# Altium PCB spin5v1_simple.PcbDoc (part 5 of 25) (continued)
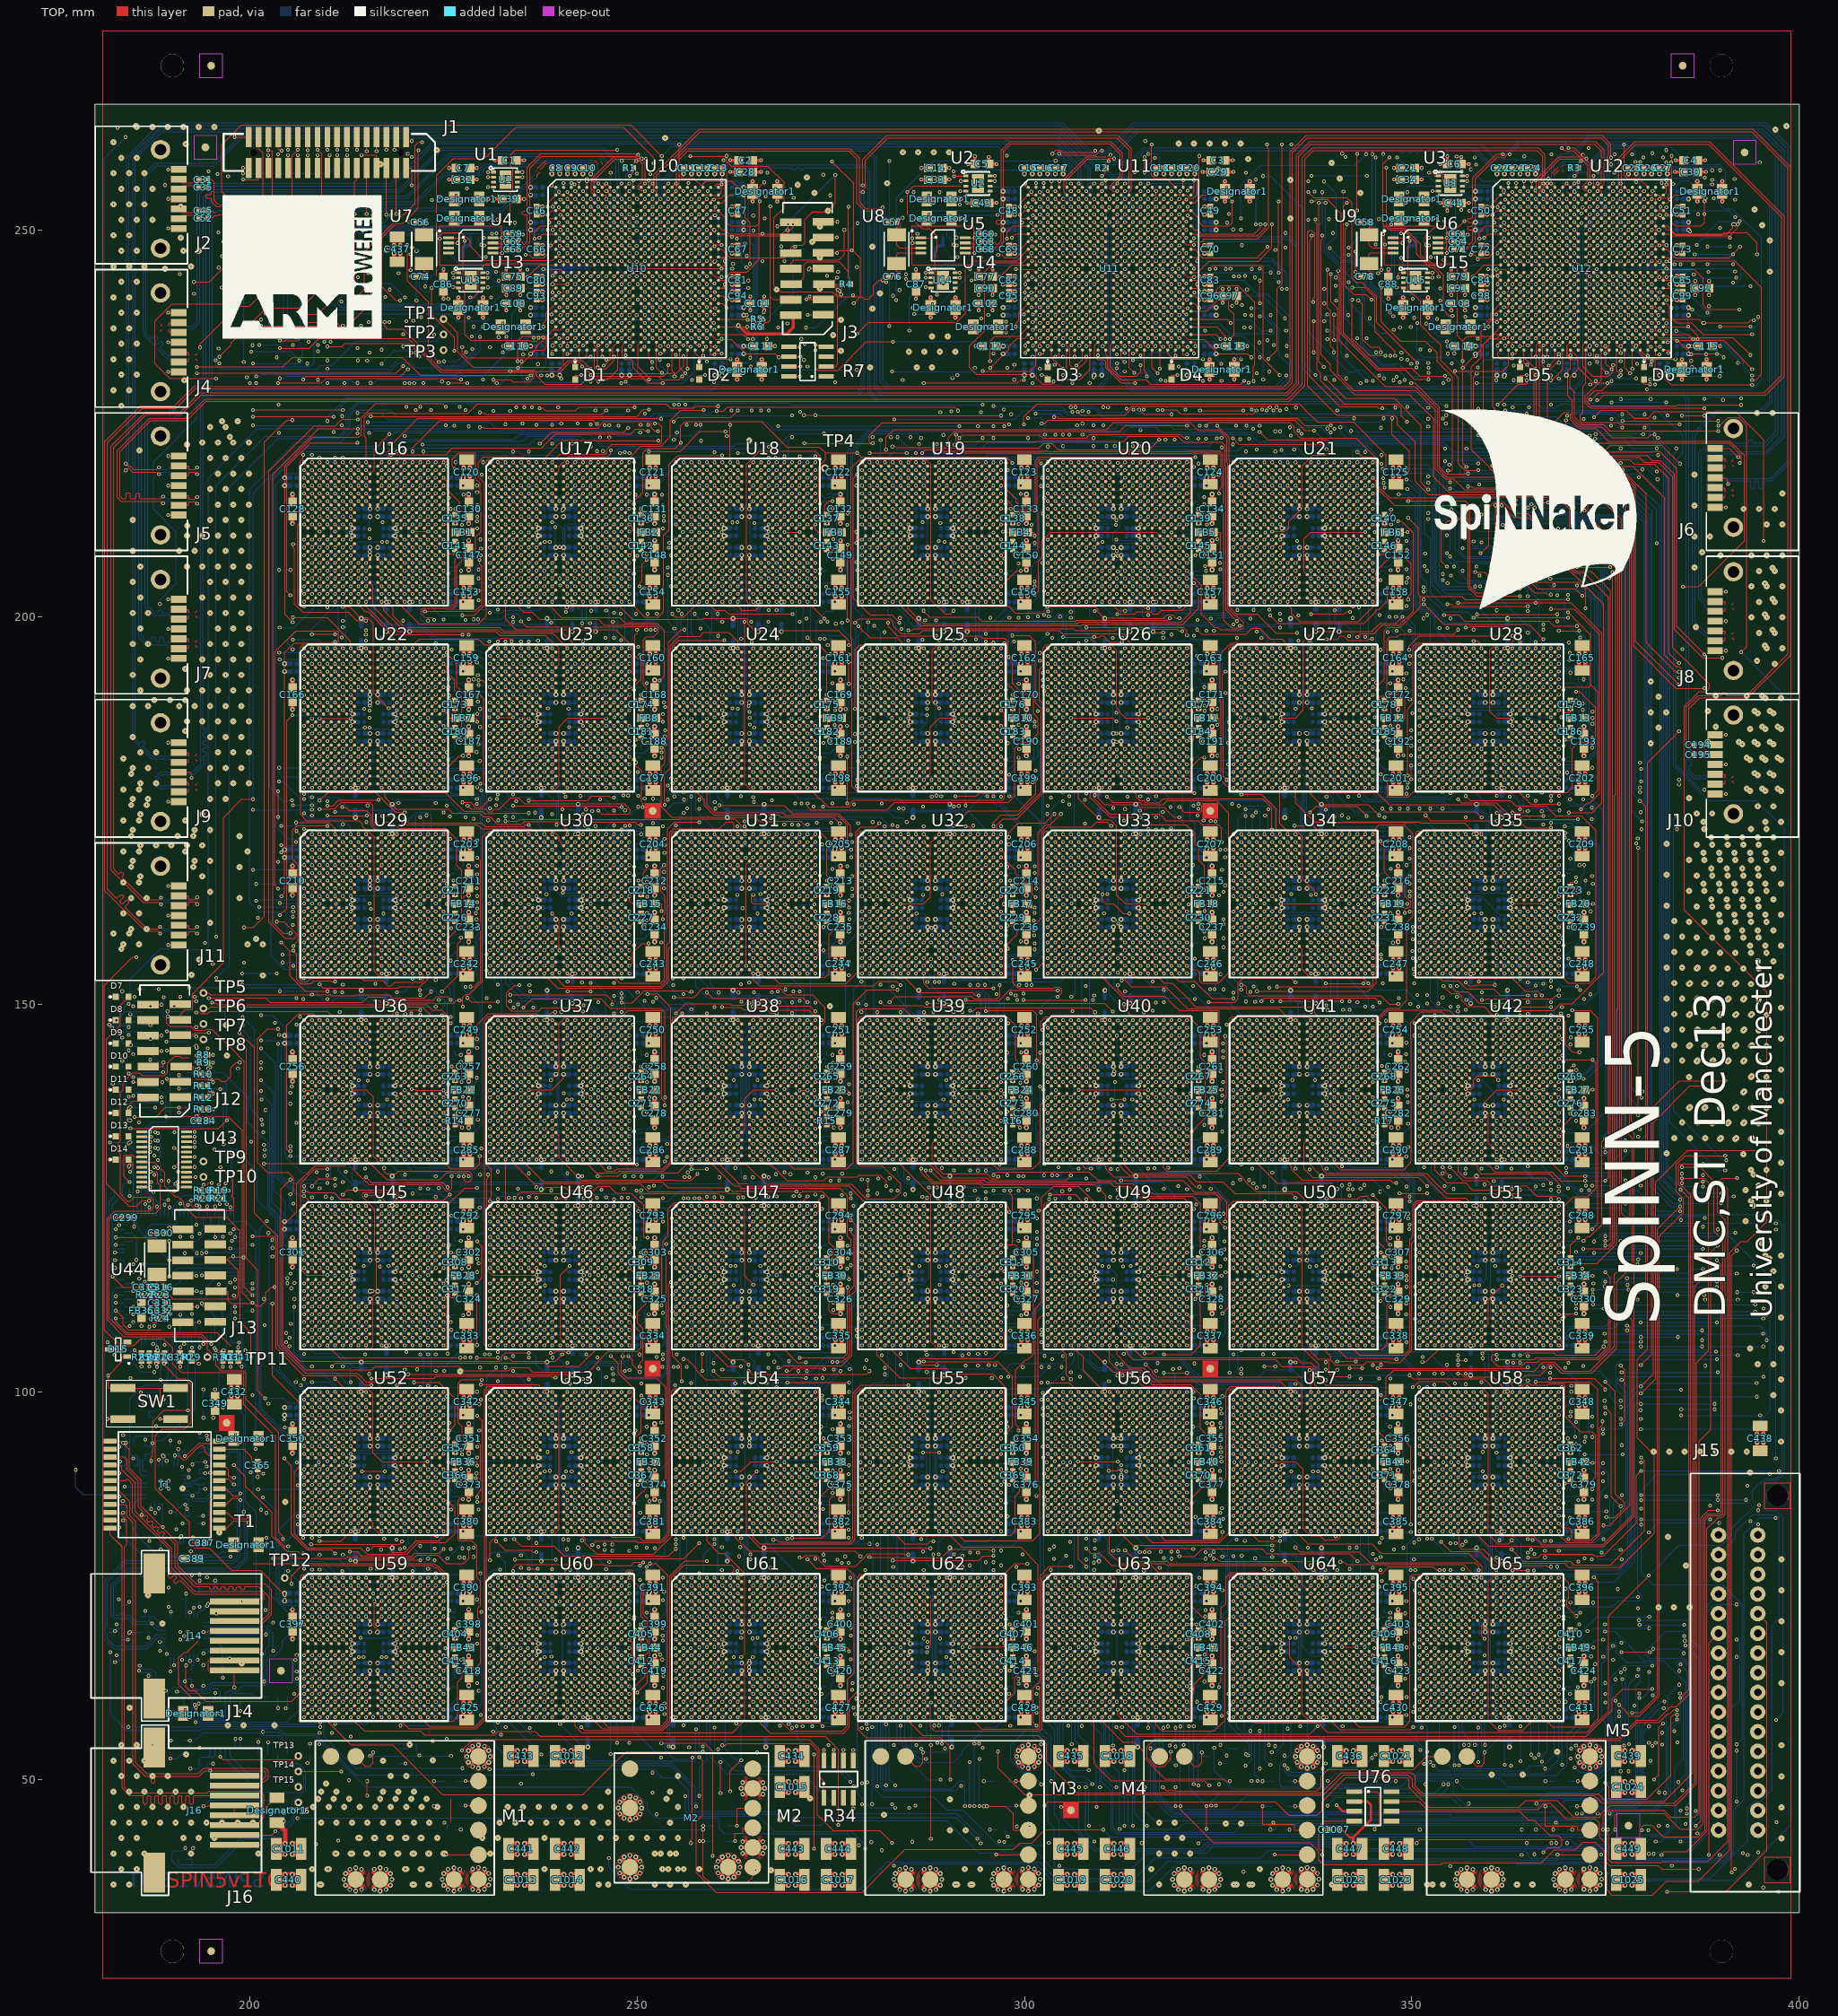
[diagram p0: TOP view]
## Nets (pads, with @x,y where several pads share a name; then routed paths per layer and width w, separated by ;. In a path a pad name is that pad's centre, name@x,y a point inside that pad or via, vN(x,y) a via of type N, cw(c..) or ccw(c..) an arc to the next point about the centre after c; other vN are vias at no path point) (continued)
  other v1: 258.511,42 252,48.258 297,59 211,62 212,62 213,62 214,62 217,62 235,62 236,62 237,62 238,62 241,62 259,62 260,62 261,62 262,62 265,62 283,62 284,62 285,62 286,62 289,62 307,62 308,62 309,62 310,62 313,62 331,62 332,62 333,62 334,62 337,62 355,62 356,62 357,62 358,62 361,62 211,63 212,63 213,63 214,63 217,63 235,63 236,63 237,63 238,63 259,63 260,63 261,63 262,63 265,63 283,63 284,63 285,63 286,63 289,63 307,63 308,63 309,63 310,63 313,63 331,63 332,63 333,63 334,63 355,63 356,63 357,63 358,63 211,64 212,64 213,64 235,64 236,64 237,64 259,64 260,64 261,64 283,64 284,64 285,64 307,64 308,64 309,64 331,64 332,64 333,64 355,64 356,64 357,64 219,65 220,65 221,65 224,65 225,65 243,65 244,65 245,65 248,65 249,65 267,65 268,65 269,65 272,65 273,65 291,65 292,65 293,65 296,65 297,65 315,65 316,65 317,65 320,65 321,65 339,65 340,65 341,65 344,65 345,65 363,65 364,65 365,65 368,65 369,65 211,66 212,66 213,66 235,66 236,66 237,66 259,66 260,66 261,66 283,66 284,66 285,66 291,66 307,66 308,66 309,66 331,66 332,66 355,66 356,66 357,66 191,68 192,68 219,68 220,68 221,68 243,68 244,68 245,68 267,68 268,68 269,68 285,68 291,68 292,68 293,68 309,68 316,68 317,68 339,68 340,68 341,68 363,68 364,68 365,68 191.5,68.5 191,69 192,69 211,69 212,69 213,69 224,69 225,69 235,69 236,69 237,69 248,69 249,69 259,69 260,69 261,69 272,69 273,69 283,69 284,69 285,69 296,69 297,69 307,69 308,69 309,69 320,69 321,69 331,69 332,69 333,69 344,69 345,69 355,69 356,69 357,69 368,69 369,69 219,70 220,70 221,70 243,70 244,70 245,70 267,70 268,70 269,70 291,70 292,70 293,70 315,70 316,70 317,70 339,70 340,70 341,70 363,70 364,70 365,70 215,71 218,71 219,71 220,71 221,71 239,71 242,71 243,71 244,71 245,71 263,71 266,71 267,71 268,71 269,71 287,71 289,71 290,71 291,71 292,71 293,71 311,71 314,71 315,71 316,71 317,71 338,71 339,71 340,71 341,71 362,71 363,71 364,71 365,71 215,72 218,72 219,72 220,72 221,72 239,72 242,72 243,72 244,72 245,72 263,72 266,72 267,72 268,72 269,72 287,72 290,72 291,72 292,72 293,72 311,72 314,72 315,72 316,72 317,72 335,72 338,72 339,72 340,72 341,72 359,72 362,72 363,72 364,72 365,72 285,73 310,74 289,75 285,76 290,76 292,84 296,85 211,86 212,86 213,86 214,86 217,86 235,86 236,86 237,86 238,86 241,86 259,86 260,86 261,86 262,86 265,86 273,86 283,86 284,86 285,86 286,86 289,86 307,86 308,86 309,86 310,86 313,86 331,86 332,86 333,86 334,86 337,86 355,86 356,86 357,86 358,86 361,86 367,86 211,87 212,87 213,87 214,87 217,87 235,87 236,87 237,87 238,87 259,87 260,87 261,87 262,87 265,87 283,87 284,87 285,87 286,87 287,87 289,87 307,87 308,87 309,87 310,87 313,87 331,87 332,87 333,87 334,87 337,87 355,87 356,87 357,87 358,87 361,87 188.5,87.5 189.5,87.5 189,88 211,88 212,88 213,88 235,88 236,88 237,88 259,88 260,88 261,88 283,88 284,88 285,88 307,88 308,88 309,88 331,88 332,88 333,88 355,88 356,88 357,88 188.5,88.5 189.5,88.5 219,89 220,89 221,89 224,89 225,89 243,89 244,89 245,89 248,89 249,89 267,89 268,89 269,89 272,89 273,89 291,89 292,89 293,89 296,89 297,89 315,89 316,89 317,89 320,89 321,89 339,89 340,89 341,89 344,89 345,89 363,89 364,89 365,89 368,89 369,89 211,90 212,90 235,90 236,90 237,90 259,90 260,90 261,90 283,90 284,90 285,90 291,90 307,90 308,90 309,90 331,90 332,90 333,90 355,90 356,90 357,90 363,90 220,92 221,92 244,92 245,92 267,92 268,92 269,92 291,92 292,92 293,92 316,92 317,92 339,92 340,92 341,92 363,92 364,92 365,92 211,93 212,93 213,93 224,93 225,93 235,93 236,93 237,93 248,93 249,93 259,93 260,93 261,93 272,93 273,93 283,93 284,93 285,93 296,93 297,93 307,93 308,93 309,93 320,93 321,93 331,93 332,93 333,93 344,93 345,93 355,93 356,93 357,93 368,93 369,93 219,94 220,94 221,94 243,94 244,94 245,94 267,94 268,94 269,94 291,94 292,94 293,94 295,94 315,94 316,94 317,94 339,94 340,94 341,94 363,94 364,94 365,94 215,95 218,95 219,95 220,95 221,95 242,95 243,95 244,95 245,95 263,95 266,95 267,95 268,95 269,95 287,95 289,95 290,95 291,95 292,95 293,95 314,95 315,95 316,95 317,95 335,95 338,95 339,95 340,95 341,95 359,95 362,95 363,95 364,95 365,95 215,96 218,96 219,96 220,96 221,96 239,96 242,96 243,96 244,96 245,96 263,96 266,96 267,96 268,96 269,96 287,96 290,96 291,96 292,96 293,96 311,96 314,96 315,96 316,96 317,96 335,96 338,96 339,96 340,96 341,96 359,96 362,96 363,96 364,96 365,96 285,100 187.908,103.629 188.908,103.629 273,107 260,108 367,108 211,110 212,110 213,110 214,110 217,110 235,110 236,110 237,110 238,110 241,110 259,110 260,110 261,110 262,110 265,110 283,110 284,110 285,110 286,110 289,110 307,110 308,110 309,110 310,110 313,110 331,110 332,110 333,110 334,110 337,110 355,110 356,110 357,110 358,110 361,110 211,111 212,111 213,111 214,111 217,111 235,111 236,111 237,111 238,111 241,111 259,111 260,111 261,111 262,111 263,111 283,111 284,111 285,111 286,111 289,111 307,111 308,111 309,111 310,111 313,111 331,111 332,111 333,111 334,111 337,111 343,111 355,111 356,111 357,111 358,111 187.629,111.592 211,112 212,112 213,112 235,112 236,112 237,112 259,112 260,112 261,112 283,112 284,112 285,112 307,112 308,112 309,112 331,112 332,112 333,112 355,112 356,112 357,112 219,113 220,113 221,113 224,113 225,113 243,113 244,113 245,113 248,113 249,113 267,113 268,113 269,113 272,113 273,113 291,113 292,113 293,113 296,113 297,113 315,113 316,113 317,113 320,113 321,113 339,113 340,113 341,113 344,113 345,113 363,113 364,113 365,113 368,113 369,113 211,114 212,114 235,114 236,114 237,114 259,114 260,114 261,114 283,114 284,114 285,114 307,114 308,114 309,114 331,114 332,114 333,114 339,114 355,114 356,114 357,114 220,116 221,116 243,116 244,116 245,116 261,116 267,116 268,116 269,116 292,116 293,116 309,116 315,116 316,116 317,116 333,116 339,116 340,116 341,116 357,116 363,116 364,116 365,116 211,117 212,117 213,117 224,117 225,117 235,117 236,117 237,117 248,117 249,117 259,117 260,117 261,117 272,117 273,117 283,117 284,117 285,117 296,117 297,117 307,117 308,117 309,117 320,117 321,117 331,117 332,117 333,117 344,117 345,117 355,117 356,117 357,117 368,117 369,117 219,118 220,118 221,118 243,118 244,118 245,118 267,118 268,118 269,118 291,118 292,118 293,118 315,118 316,118 317,118 339,118 340,118 341,118 363,118 364,118 365,118 215,119 218,119 219,119 220,119 221,119 239,119 242,119 243,119 244,119 245,119 263,119 266,119 267,119 268,119 269,119 290,119 291,119 292,119 293,119 311,119 314,119 315,119 316,119 317,119 335,119 338,119 339,119 340,119 341,119 359,119 362,119 363,119 364,119 365,119 215,120 218,120 219,120 220,120 221,120 239,120 242,120 243,120 244,120 245,120 263,120 266,120 267,120 268,120 269,120 287,120 290,120 291,120 292,120 293,120 311,120 314,120 315,120 316,120 317,120 335,120 338,120 339,120 340,120 341,120 359,120 362,120 363,120 364,120 365,120 314,122 338,124 184.371,129.092 361,131 184.371,132.092 211,134 212,134 213,134 214,134 217,134 235,134 236,134 237,134 238,134 241,134 259,134 260,134 261,134 262,134 265,134 283,134 284,134 285,134 286,134 289,134 307,134 308,134 309,134 310,134 313,134 331,134 332,134 333,134 334,134 337,134 355,134 356,134 357,134 358,134 361,134 211,135 212,135 213,135 214,135 217,135 235,135 236,135 237,135 238,135 241,135 259,135 260,135 261,135 262,135 283,135 284,135 285,135 286,135 289,135 307,135 308,135 309,135 310,135 331,135 332,135 333,135 334,135 337,135 355,135 356,135 357,135 358,135 359,135 361,135 369,135 184.371,135.092 211,136 212,136 213,136 235,136 236,136 237,136 259,136 260,136 261,136 283,136 284,136 285,136 307,136 308,136 309,136 331,136 332,136 333,136 355,136 356,136 357,136 219,137 220,137 221,137 224,137 225,137 243,137 244,137 245,137 248,137 249,137 267,137 268,137 269,137 272,137 273,137 291,137 292,137 293,137 296,137 297,137 315,137 316,137 317,137 320,137 321,137 339,137 340,137 341,137 344,137 345,137 363,137 364,137 365,137 368,137 369,137 211,138 212,138 235,138 236,138 259,138 260,138 261,138 283,138 284,138 285,138 307,138 308,138 309,138 331,138 332,138 333,138 355,138 356,138 357,138 184.371,138.092 219,140 220,140 221,140 243,140 244,140 245,140 267,140 268,140 269,140 292,140 293,140 315,140 316,140 317,140 339,140 340,140 341,140 363,140 364,140 365,140 211,141 212,141 213,141 224,141 225,141 235,141 236,141 237,141 248,141 249,141 259,141 260,141 261,141 272,141 273,141 283,141 284,141 285,141 296,141 297,141 307,141 308,141 309,141 320,141 321,141 331,141 332,141 333,141 344,141 345,141 355,141 356,141 357,141 368,141 369,141 184.371,141.092 219,142 220,142 221,142 243,142 244,142 245,142 267,142 268,142 269,142 291,142 292,142 293,142 315,142 316,142 317,142 339,142 340,142 341,142 363,142 364,142 365,142 215,143 218,143 219,143 220,143 221,143 242,143 243,143 244,143 245,143 266,143 267,143 268,143 269,143 287,143 290,143 291,143 292,143 293,143 311,143 314,143 315,143 316,143 317,143 335,143 338,143 339,143 340,143 341,143 359,143 362,143 363,143 364,143 365,143 215,144 218,144 219,144 220,144 221,144 239,144 242,144 243,144 244,144 245,144 263,144 266,144 267,144 268,144 269,144 287,144 290,144 291,144 292,144 293,144 311,144 314,144 315,144 316,144 317,144 335,144 338,144 339,144 340,144 341,144 359,144 362,144 363,144 364,144 365,144 184.371,144.092 193.067,145.88 184.371,147.092 187.167,149.78 184.371,150.092 188.856,150.939 222,156 211,158 212,158 213,158 214,158 217,158 235,158 236,158 237,158 238,158 241,158 259,158 260,158 261,158 262,158 265,158 283,158 284,158 285,158 286,158 289,158 307,158 308,158 309,158 310,158 313,158 321,158 331,158 332,158 333,158 334,158 337,158 355,158 356,158 357,158 358,158 361,158 211,159 212,159 213,159 214,159 217,159 235,159 236,159 237,159 238,159 241,159 259,159 260,159 261,159 262,159 265,159 283,159 284,159 285,159 286,159 307,159 308,159 309,159 310,159 313,159 319,159 331,159 332,159 333,159 334,159 337,159 355,159 356,159 357,159 358,159 361,159 211,160 212,160 213,160 235,160 236,160 237,160 259,160 260,160 261,160 283,160 284,160 285,160 307,160 308,160 309,160 331,160 332,160 333,160 355,160 356,160 357,160 219,161 220,161 221,161 224,161 243,161 244,161 245,161 248,161 249,161 267,161 268,161 269,161 272,161 273,161 291,161 292,161 293,161 296,161 297,161 315,161 316,161 317,161 320,161 321,161 339,161 340,161 341,161 344,161 345,161 363,161 364,161 365,161 368,161 369,161 211,162 212,162 235,162 236,162 237,162 259,162 260,162 261,162 283,162 284,162 307,162 308,162 309,162 315,162 331,162 332,162 333,162 339,162 355,162 356,162 219,164 220,164 221,164 244,164 245,164 268,164 269,164 291,164 292,164 293,164 309,164 315,164 316,164 317,164 333,164 339,164 340,164 341,164 364,164 365,164 211,165 212,165 213,165 224,165 235,165 236,165 237,165 248,165 249,165 259,165 260,165 261,165 272,165 273,165 283,165 284,165 285,165 296,165 297,165 307,165 308,165 309,165 320,165 321,165 331,165 332,165 333,165 344,165 345,165 355,165 356,165 357,165 368,165 369,165 219,166 220,166 221,166 243,166 244,166 245,166 267,166 268,166 269,166 291,166 292,166 293,166 315,166 316,166 317,166 339,166 340,166 341,166 363,166 364,166 365,166 215,167 218,167 219,167 220,167 221,167 242,167 243,167 244,167 245,167 263,167 266,167 267,167 268,167 269,167 287,167 290,167 291,167 292,167 293,167 311,167 314,167 315,167 316,167 317,167 335,167 338,167 339,167 340,167 341,167 359,167 362,167 363,167 364,167 365,167 215,168 218,168 219,168 220,168 221,168 239,168 242,168 243,168 244,168 245,168 263,168 266,168 267,168 268,168 269,168 287,168 290,168 291,168 292,168 293,168 311,168 314,168 315,168 316,168 317,168 335,168 338,168 339,168 340,168 341,168 359,168 362,168 363,168 364,168 365,168 321,181 211,182 212,182 213,182 214,182 217,182 235,182 236,182 237,182 238,182 241,182 259,182 260,182 261,182 262,182 265,182 283,182 284,182 285,182 286,182 289,182 307,182 308,182 309,182 310,182 313,182 331,182 332,182 333,182 334,182 337,182 355,182 356,182 357,182 358,182 361,182 211,183 212,183 213,183 214,183 217,183 235,183 236,183 237,183 238,183 241,183 259,183 260,183 261,183 262,183 265,183 283,183 284,183 285,183 286,183 289,183 307,183 308,183 309,183 310,183 311,183 313,183 331,183 332,183 333,183 334,183 337,183 355,183 356,183 357,183 358,183 361,183 211,184 212,184 213,184 235,184 236,184 237,184 259,184 260,184 261,184 283,184 284,184 285,184 307,184 308,184 309,184 331,184 332,184 333,184 355,184 356,184 357,184 219,185 220,185 221,185 224,185 225,185 243,185 244,185 245,185 248,185 249,185 267,185 268,185 269,185 272,185 273,185 291,185 292,185 293,185 296,185 297,185 315,185 316,185 317,185 320,185 321,185 339,185 340,185 341,185 344,185 345,185 363,185 364,185 365,185 368,185 369,185 211,186 212,186 235,186 236,186 237,186 259,186 260,186 261,186 283,186 284,186 285,186 307,186 308,186 309,186 331,186 332,186 355,186 356,186 357,186 220,188 221,188 243,188 244,188 245,188 267,188 268,188 269,188 292,188 293,188 309,188 315,188 316,188 317,188 339,188 340,188 341,188 364,188 365,188 211,189 212,189 213,189 224,189 225,189 235,189 236,189 237,189 248,189 249,189 259,189 260,189 261,189 272,189 273,189 283,189 284,189 285,189 296,189 297,189 307,189 308,189 309,189 320,189 321,189 331,189 332,189 333,189 344,189 345,189 355,189 356,189 357,189 368,189 369,189 219,190 220,190 221,190 243,190 244,190 245,190 267,190 268,190 269,190 291,190 292,190 293,190 315,190 316,190 317,190 339,190 340,190 341,190 363,190 364,190 365,190 215,191 218,191 219,191 220,191 221,191 239,191 242,191 243,191 244,191 245,191 266,191 267,191 268,191 269,191 287,191 289,191 290,191 291,191 292,191 293,191 311,191 313,191 314,191 315,191 316,191 317,191 335,191 338,191 339,191 340,191 341,191 359,191 362,191 363,191 364,191 365,191 215,192 218,192 219,192 220,192 221,192 239,192 242,192 243,192 244,192 245,192 263,192 266,192 267,192 268,192 269,192 287,192 290,192 291,192 292,192 293,192 311,192 314,192 315,192 316,192 317,192 335,192 338,192 339,192 340,192 341,192 359,192 362,192 363,192 364,192 365,192 314,193 311,194 310,196 343,202 339,203 211,206 212,206 213,206 214,206 217,206 235,206 236,206 237,206 238,206 241,206 259,206 260,206 261,206 262,206 265,206 283,206 284,206 285,206 286,206 289,206 307,206 308,206 309,206 310,206 313,206 331,206 332,206 333,206 334,206 337,206 211,207 212,207 213,207 214,207 235,207 236,207 237,207 238,207 259,207 260,207 261,207 262,207 283,207 284,207 285,207 286,207 307,207 308,207 309,207 310,207 331,207 332,207 333,207 334,207 337,207 211,208 212,208 213,208 235,208 236,208 237,208 259,208 260,208 261,208 283,208 284,208 285,208 307,208 308,208 309,208 331,208 332,208 333,208 219,209 220,209 221,209 224,209 243,209 244,209 245,209 248,209 249,209 267,209 268,209 269,209 272,209 273,209 291,209 292,209 293,209 296,209 297,209 315,209 316,209 317,209 320,209 321,209 339,209 340,209 341,209 344,209 345,209 211,210 212,210 235,210 236,210 237,210 259,210 260,210 261,210 283,210 284,210 285,210 307,210 308,210 331,210 332,210 333,210 220,212 221,212 244,212 245,212 268,212 269,212 292,212 293,212 315,212 316,212 317,212 333,212 339,212 340,212 341,212 211,213 212,213 213,213 224,213 225,213 235,213 236,213 237,213 248,213 249,213 259,213 260,213 261,213 272,213 273,213 283,213 284,213 285,213 296,213 297,213 307,213 308,213 309,213 320,213 321,213 331,213 332,213 333,213 344,213 345,213 219,214 220,214 221,214 243,214 244,214 245,214 267,214 268,214 269,214 291,214 292,214 293,214 315,214 316,214 317,214 339,214 340,214 341,214 218,215 219,215 220,215 221,215 239,215 242,215 243,215 244,215 245,215 263,215 266,215 267,215 268,215 269,215 290,215 291,215 292,215 293,215 311,215 314,215 315,215 316,215 317,215 335,215 338,215 339,215 340,215 341,215 215,216 218,216 219,216 220,216 221,216 239,216 242,216 243,216 244,216 245,216 263,216 266,216 267,216 268,216 269,216 287,216 290,216 291,216 292,216 293,216 311,216 314,216 315,216 316,216 317,216 335,216 338,216 339,216 340,216 341,216 268.297,233.561 245,237 255,237 258,237 306,237 316,237 319,237 367,237 377,237 380,237 242,238 248,238 253,238 303,238 309,238 314,238 364,238 370,238 375,238 245,239 306,239 367,239 243,241 257,241 304,241 318,241 365,241 379,241 272.278,241.4 276.344,241.666 248,242 251,242 253,242 309,242 312,242 314,242 370,242 373,242 375,242 276.129,242.092 228.5,243 247,243 249,243 252,243 256,243 289.5,243 308,243 310,243 313,243 317,243 350.5,243 369,243 371,243 374,243 378,243 228.5,243.5 289.5,243.5 350.5,243.5 228.5,244 248,244 251,244 253,244 289.5,244 309,244 312,244 314,244 350.5,244 370,244 373,244 375,244 272.278,245.04 243,246 247,246 249,246 252,246 257,246 304,246 308,246 310,246 313,246 318,246 365,246 369,246 371,246 374,246 379,246 248,247 251,247 253,247 309,247 312,247 314,247 370,247 373,247 375,247 247,248 249,248 252,248 254,248 308,248 310,248 313,248 315,248 369,248 371,248 374,248 376,248 260.901,248.065 245,249 306,249 367,249 243,250 257,250 304,250 318,250 365,250 379,250 252,251 313,251 374,251 260.099,251.901 245,252 249,252 253,252 254,252 259,252 306,252 310,252 314,252 315,252 367,252 371,252 375,252 376,252 244,253 248,253 255,253 305,253 309,253 316,253 366,253 370,253 377,253 244,254 250,254 251,254 253,254 255,254 305,254 307,254 311,254 312,254 314,254 316,254 366,254 372,254 373,254 375,254 377,254 243,255 254,255 257,255 304,255 306,255 315,255 365,255 376,255 378,255 379,255 294,255.5 355,255.5 233,256 294,256 309,256 313,256 355,256 374,256 233,256.5 294,256.5 355,256.5 233,257
  other v2: 216.825,35.548 226.345,35.548 287.825,35.548 297.345,35.548 323.825,35.548 333.345,35.548 360.325,35.548 369.845,35.548 216.069,35.751 217.581,35.751 225.589,35.751 227.101,35.751 287.069,35.751 288.581,35.751 296.589,35.751 298.101,35.751 323.069,35.751 324.581,35.751 332.589,35.751 334.101,35.751 359.569,35.751 361.081,35.751 369.089,35.751 370.601,35.751 204.55,36.3 218.134,36.304 225.036,36.304 235.45,36.3 240.55,36.3 270.45,36.3 275.55,36.3 289.134,36.304 296.036,36.304 306.45,36.3 311.55,36.3 325.134,36.304 332.036,36.304 342.45,36.3 347.55,36.3 361.634,36.304 368.536,36.304 378.45,36.3 218.337,37.06 224.833,37.06 289.337,37.06 295.833,37.06 325.337,37.06 331.833,37.06 361.837,37.06 368.333,37.06 249.06,37.138 248.304,37.341 249.816,37.341 204.55,37.7 235.45,37.7 240.55,37.7 270.45,37.7 275.55,37.7 306.45,37.7 311.55,37.7 342.45,37.7 347.55,37.7 378.45,37.7 218.134,37.816 225.036,37.816 289.134,37.816 296.036,37.816 325.134,37.816 332.036,37.816 361.634,37.816 368.536,37.816 247.751,37.894 250.369,37.894 216.069,38.369 217.581,38.369 225.589,38.369 227.101,38.369 287.069,38.369 288.581,38.369 296.589,38.369 298.101,38.369 323.069,38.369 324.581,38.369 332.589,38.369 334.101,38.369 359.569,38.369 361.081,38.369 369.089,38.369 370.601,38.369 216.825,38.572 226.345,38.572 287.825,38.572 297.345,38.572 323.825,38.572 333.345,38.572 360.325,38.572 369.845,38.572 247.548,38.65 250.572,38.65 247.751,39.406 250.369,39.406 248.304,39.959 249.816,39.959 249.06,40.162 204.55,40.3 235.45,40.3 240.55,40.3 270.45,40.3 275.55,40.3 306.45,40.3 311.55,40.3 342.45,40.3 347.55,40.3 378.45,40.3 263.621,40.434 266.239,40.434 263.418,41.19 266.442,41.19 235.45,41.7 240.55,41.7 270.45,41.7 275.55,41.7 306.45,41.7 311.55,41.7 347.55,41.7 378.45,41.7 263.621,41.946 266.239,41.946 270.45,48.3 378.45,48.3 270.45,49.7 378.45,49.7 235.45,52.3 241.45,52.3 270.45,52.3 306.45,52.3 312.45,52.3 342.45,52.3 348.45,52.3 378.45,52.3 235.45,53.7 241.45,53.7 270.45,53.7 306.45,53.7 312.45,53.7 342.45,53.7 348.45,53.7 378.45,53.7 227.6,59.743 228.4,59.743 251.6,59.743 252.4,59.743 275.6,59.743 276.4,59.743 299.6,59.743 300.4,59.743 323.6,59.743 324.4,59.743 347.6,59.743 348.4,59.743 371.6,59.743 372.4,59.743 228.25,62.093 252.25,62.093 276.25,62.093 300.25,62.093 324.25,62.093 348.25,62.093 372.25,62.093 216.49,64 312.49,64 336.49,64 215.51,65 239.51,65 311.51,65 359.51,65 213.24,66.5 237.24,66.5 261.24,66.5 357.24,66.5 218.76,67.5 242.76,67.5 266.76,67.5 338.76,67.5 362.76,67.5 205.5,68.093 216.49,69 264.49,69 312.49,69 336.49,69 215.51,70 239.51,70 263.51,70 287.51,70 311.51,70 228.25,71.907 252.25,71.907 276.25,71.907 300.25,71.907 324.25,71.907 348.25,71.907 204.49,73 227.6,74.257 228.4,74.257 251.6,74.257 252.4,74.257 275.6,74.257 276.4,74.257 299.6,74.257 300.4,74.257 323.6,74.257 324.4,74.257 347.6,74.257 348.4,74.257 371.6,74.257 372.4,74.257 227.6,83.743 228.4,83.743 251.6,83.743 252.4,83.743 275.6,83.743 276.4,83.743 299.6,83.743 300.4,83.743 323.6,83.743 324.4,83.743 347.6,83.743 348.4,83.743 371.6,83.743 372.4,83.743 228.25,86.093 252.25,86.093 276.25,86.093 300.25,86.093 324.25,86.093 348.25,86.093 372.25,86.093 216.49,88 264.49,88 312.49,88 336.49,88 360.49,88 215.51,89 263.51,89 335.51,89 359.51,89 237.24,90.5 261.24,90.5 285.24,90.5 309.24,90.5 333.24,90.5 357.24,90.5 266.76,91.5 338.76,91.5 205.5,92.093 216.49,93 312.49,93 336.49,93 394.6,93.507 395.4,93.507 215.51,94 263.51,94 335.51,94 359.51,94 228.25,95.907 252.25,95.907 276.25,95.907 300.25,95.907 324.25,95.907 348.25,95.907 204.49,97 227.6,98.257 228.4,98.257 251.6,98.257 252.4,98.257 275.6,98.257 276.4,98.257 299.6,98.257 300.4,98.257 323.6,98.257 324.4,98.257 347.6,98.257 348.4,98.257 371.6,98.257 372.4,98.257 197.6,99.507 198.4,99.507 227.6,107.743 228.4,107.743 251.6,107.743 252.4,107.743 275.6,107.743 276.4,107.743 299.6,107.743 300.4,107.743 323.6,107.743 324.4,107.743 347.6,107.743 348.4,107.743 371.6,107.743 372.4,107.743 228.25,110.093 252.25,110.093 300.25,110.093 324.25,110.093 348.25,110.093 372.25,110.093 216.49,112 240.49,112 264.49,112 288.49,112 312.49,112 336.49,112 215.51,113 239.51,113 311.51,113 335.51,113 359.51,113 237.24,114.5 285.24,114.5 218.76,115.5 242.76,115.5 266.76,115.5 314.76,115.5 362.76,115.5 205.5,116.093 240.49,117 264.49,117 288.49,117 312.49,117 336.49,117 215.51,118 239.51,118 311.51,118 335.51,118 228.25,119.907 252.25,119.907 276.25,119.907 300.25,119.907 324.25,119.907 348.25,119.907 227.6,122.257 228.4,122.257 251.6,122.257 252.4,122.257 275.6,122.257 276.4,122.257 299.6,122.257 300.4,122.257 323.6,122.257 324.4,122.257 347.6,122.257 348.4,122.257 371.6,122.257 372.4,122.257 227.6,131.743 228.4,131.743 251.6,131.743 252.4,131.743 275.6,131.743 276.4,131.743 299.6,131.743 300.4,131.743 323.6,131.743 324.4,131.743 347.6,131.743 348.4,131.743 371.6,131.743 372.4,131.743 228.25,134.093 252.25,134.093 276.25,134.093 300.25,134.093 324.25,134.093 348.25,134.093 372.25,134.093 216.49,136 240.49,136 288.49,136 312.49,136 336.49,136 215.51,137 287.51,137 311.51,137 335.51,137 261.24,138.5 285.24,138.5 309.24,138.5 333.24,138.5 357.24,138.5 218.76,139.5 242.76,139.5 266.76,139.5 314.76,139.5 338.76,139.5 362.76,139.5 205.5,140.093 216.49,141 240.49,141 288.49,141 312.49,141 336.49,141 360.49,141 215.51,142 287.51,142 311.51,142 335.51,142 359.51,142 228.25,143.907 252.25,143.907 276.25,143.907 300.25,143.907 324.25,143.907 348.25,143.907 227.6,146.257 228.4,146.257 251.6,146.257 252.4,146.257 275.6,146.257 276.4,146.257 299.6,146.257 300.4,146.257 323.6,146.257 324.4,146.257 347.6,146.257 348.4,146.257 371.6,146.257 372.4,146.257 227.6,155.743 228.4,155.743 251.6,155.743 252.4,155.743 275.6,155.743 276.4,155.743 299.6,155.743 300.4,155.743 323.6,155.743 324.4,155.743 347.6,155.743 348.4,155.743 371.6,155.743 372.4,155.743 228.25,158.093 252.25,158.093 276.25,158.093 300.25,158.093 324.25,158.093 348.25,158.093 372.25,158.093 216.49,160 240.49,160 264.49,160 288.49,160 312.49,160 336.49,160 360.49,160 215.51,161 239.51,161 263.51,161 311.51,161 335.51,161 359.51,161 237.24,162.5 261.24,162.5 218.76,163.5 242.76,163.5 290.76,163.5 338.76,163.5 205.5,164.093 216.49,165 240.49,165 264.49,165 288.49,165 312.49,165 336.49,165 360.49,165 263.51,166 287.51,166 311.51,166 335.51,166 359.51,166 228.25,167.907 252.25,167.907 276.25,167.907 300.25,167.907 324.25,167.907 348.25,167.907 228.4,170.257 251.6,170.257 252.4,170.257 275.6,170.257 276.4,170.257 299.6,170.257 300.4,170.257 323.6,170.257 324.4,170.257 347.6,170.257 348.4,170.257 371.6,170.257 372.4,170.257 227.6,179.743 228.4,179.743 251.6,179.743 252.4,179.743 275.6,179.743 276.4,179.743 299.6,179.743 300.4,179.743 323.6,179.743 324.4,179.743 347.6,179.743 348.4,179.743 371.6,179.743 372.4,179.743 228.25,182.093 252.25,182.093 276.25,182.093 300.25,182.093 324.25,182.093 348.25,182.093 372.25,182.093 216.49,184 240.49,184 264.49,184 312.49,184 336.49,184 360.49,184 215.51,185 239.51,185 287.51,185 335.51,185 359.51,185 237.24,186.5 261.24,186.5 285.24,186.5 357.24,186.5 242.76,187.5 266.76,187.5 314.76,187.5 338.76,187.5 362.76,187.5 205.5,188.093 216.49,189 240.49,189 264.49,189 360.49,189 239.51,190 335.51,190 359.51,190 228.25,191.907 252.25,191.907 276.25,191.907 324.25,191.907 348.25,191.907 227.6,194.257 228.4,194.257 251.6,194.257 252.4,194.257 275.6,194.257 276.4,194.257 299.6,194.257 300.4,194.257 323.6,194.257 324.4,194.257 347.6,194.257 348.4,194.257 371.6,194.257 372.4,194.257 227.6,203.743 228.4,203.743 251.6,203.743 252.4,203.743 275.6,203.743 276.4,203.743 299.6,203.743 300.4,203.743 323.6,203.743 324.4,203.743 347.6,203.743 348.4,203.743 228.25,206.093 252.25,206.093 276.25,206.093 300.25,206.093 324.25,206.093 348.25,206.093 336.49,208 263.51,209 335.51,209 213.24,210.5 237.24,210.5 261.24,210.5 285.24,210.5 242.76,211.5 314.76,211.5 338.76,211.5 205.5,212.093 216.49,213 240.49,213 288.49,213 312.49,213 336.49,213 239.51,214 263.51,214 311.51,214 335.51,214 252.25,215.907 300.25,215.907 324.25,215.907 227.6,218.257 228.4,218.257 251.6,218.257 252.4,218.257 275.6,218.257 276.4,218.257 299.6,218.257 300.4,218.257 323.6,218.257 324.4,218.257 347.6,218.257 348.4,218.257 261,231.24 322,231.24 236.24,234 297.24,234 358.24,234 263.76,235 385.76,235 236.24,239 297.24,239 358.24,239 263.76,240 324.76,240 218.6,247.007 219.4,247.007 324.76,251 385.76,251 324.76,255 385.76,255
  other v3: 272.337,47.512 272.614,248.451 273.614,250.451
GPIO<0>: R179.1 U63.M16
  other v1: 321.592,61.629 319,64
GPIO<0>_48: R180.1 U62.M16
  other v1: 297.592,61.629 295,64
GPIO<0>_49: R181.1 U61.M16
  other v1: 273.592,61.629 271,64
GPIO<0>_50: R182.1 U60.M16
  other v1: 249.592,61.629 247,64
GPIO<0>_51: R65.1 U28.M16
  other v1: 369.592,181.629 367,184
GPIO<0>_52: R52.1 U21.M16
  other v1: 345.592,205.629 343,208
GPIO<0>_53: R54.1 U19.M16
  other v1: 297.592,205.629 295,208
GPIO<0>_54: R55.1 U18.M16
  other v1: 273.592,205.629 271,208
GPIO<0>_55: R56.1 U17.M16
  other v1: 249.592,205.629 247,208
GPIO<0>_56: R68.1 U25.M16
  other v1: 297.592,181.629 295,184
GPIO<0>_57: R53.1 U20.M16
  other v1: 321.592,205.629 319,208
GPIO<0>_58: R66.1 U27.M16
  other v1: 345.592,181.629 343,184
GPIO<0>_59: R79.1 U35.M16
  other v1: 369.592,157.629 367,160
GPIO<0>_60: R101.1 U42.M16
  other v1: 369.592,133.629 367,136
GPIO<0>_61: R80.1 U34.M16
  other v1: 345.592,157.629 343,160
GPIO<0>_62: R67.1 U26.M16
  other v1: 321.592,181.629 319,184
GPIO<0>_63: R69.1 U24.M16
  other v1: 273.592,181.629 271,184
GPIO<0>_64: R70.1 U23.M16
  other v1: 249.592,181.629 247,184
GPIO<0>_65: R57.1 U16.M16
  other v1: 225.592,205.629 223,208
GPIO<0>_66: R123.1 U51.M16
  other v1: 369.592,109.629 367,112
GPIO<0>_67: R104.1 U41.M16
  other v1: 345.592,132.129 343,136
GPIO<0>_68: R81.1 U33.M16
  other v1: 321.592,157.629 319,160
GPIO<0>_69: R82.1 U32.M16
  other v1: 297.592,157.629 295,160
GPIO<0>_70: R83.1 U31.M16
  other v1: 273.592,157.629 271,160
GPIO<0>_71: R84.1 U30.M16
  other v1: 249.592,157.629 247,160
GPIO<0>_72: R71.1 U22.M16
  other v1: 225.592,181.629 223,184
GPIO<0>_73: R149.1 U58.M16
  other v1: 369.592,85.629 367,88
GPIO<0>_74: R124.1 U50.M16
  other v1: 345.592,109.629 343,112
GPIO<0>_75: R102.1 U40.M16
  other v1: 321.592,133.629 319,136
GPIO<0>_76: R105.1 U39.M16
  other v1: 297.592,132.129 295,136
GPIO<0>_77: R106.1 U38.M16
  other v1: 273.592,132.129 271,136
GPIO<0>_78: R103.1 U37.M16
  other v1: 249.592,133.629 247,136
GPIO<0>_79: R107.1 U36.M16
  other v1: 225.592,132.129 223,136
GPIO<0>_80: R85.1 U29.M16
  other v1: 225.592,157.629 223,160
GPIO<0>_81: R177.1 U65.M16
  other v1: 369.592,61.629 367,64
GPIO<0>_82: R150.1 U57.M16
  other v1: 345.592,85.629 343,88
GPIO<0>_83: R125.1 U49.M16
  other v1: 321.592,109.629 319,112
GPIO<0>_84: R126.1 U48.M16
  other v1: 297.592,109.629 295,112
GPIO<0>_85: R127.1 U47.M16
  other v1: 273.592,109.629 271,112
GPIO<0>_86: R128.1 U46.M16
  other v1: 249.592,109.629 247,112
GPIO<0>_87: R129.1 U45.M16
  other v1: 225.592,109.629 223,112
GPIO<0>_88: R178.1 U64.M16
  other v1: 345.592,61.629 343,64
GPIO<0>_89: R151.1 U56.M16
  other v1: 321.592,85.629 319,88
GPIO<0>_90: R152.1 U55.M16
  other v1: 297.592,85.629 295,88
GPIO<0>_91: R153.1 U54.M16
  other v1: 273.592,85.629 271,88
GPIO<0>_92: R154.1 U53.M16
  other v1: 249.592,85.629 247,88
GPIO<0>_93: R155.1 U52.M16
  other v1: 225.592,85.629 223,88
GPIO<0>_94: R183.1 U59.M16
  other v1: 225.592,61.629 223,64
GPIO<10>: U63.F16
  other v1: 319,71
GPIO<10>_1: U62.F16
  other v1: 295,71
GPIO<10>_2: U61.F16
  other v1: 271,71
GPIO<10>_3: U60.F16
  other v1: 247,71
GPIO<10>_4: U28.F16
  other v1: 367,191
GPIO<10>_5: U21.F16
  other v1: 343,215
GPIO<10>_6: U19.F16
  other v1: 295,215
GPIO<10>_7: U18.F16
  other v1: 271,215
GPIO<10>_8: U17.F16
  other v1: 247,215
GPIO<10>_9: U25.F16
  other v1: 295,191
GPIO<10>_10: U20.F16
  other v1: 319,215
GPIO<10>_11: U27.F16
  other v1: 343,191
GPIO<10>_12: U35.F16
  other v1: 367,167
GPIO<10>_13: U42.F16
  other v1: 367,143
GPIO<10>_14: U34.F16
  other v1: 343,167
GPIO<10>_15: U26.F16
  other v1: 319,191
GPIO<10>_16: U24.F16
  other v1: 271,191
GPIO<10>_17: U23.F16
  other v1: 247,191
GPIO<10>_18: U16.F16
  other v1: 223,215
GPIO<10>_19: U51.F16
  other v1: 367,119
GPIO<10>_20: U41.F16
  other v1: 343,143
GPIO<10>_21: U33.F16
  other v1: 319,167
GPIO<10>_22: U32.F16
  other v1: 295,167
GPIO<10>_23: U31.F16
  other v1: 271,167
GPIO<10>_24: U30.F16
  other v1: 247,167
GPIO<10>_25: U22.F16
  other v1: 223,191
GPIO<10>_26: U58.F16
  other v1: 367,95
GPIO<10>_27: U50.F16
  other v1: 343,119
GPIO<10>_28: U40.F16
  other v1: 319,143
GPIO<10>_29: U39.F16
  other v1: 295,143
GPIO<10>_30: U38.F16
  other v1: 271,143
GPIO<10>_31: U37.F16
  other v1: 247,143
GPIO<10>_32: U36.F16
  other v1: 223,143
GPIO<10>_33: U29.F16
  other v1: 223,167
GPIO<10>_34: U65.F16
  other v1: 367,71
GPIO<10>_35: U57.F16
  other v1: 343,95
GPIO<10>_36: U49.F16
  other v1: 319,119
GPIO<10>_37: U48.F16
  other v1: 295,119
GPIO<10>_38: U47.F16
  other v1: 271,119
GPIO<10>_39: U46.F16
  other v1: 247,119
GPIO<10>_40: U45.F16
  other v1: 223,119
GPIO<10>_41: U64.F16
  other v1: 343,71
GPIO<10>_42: U56.F16
  other v1: 319,95
GPIO<10>_43: U55.F16
  other v1: 295,95
GPIO<10>_44: U54.F16
  other v1: 271,95
GPIO<10>_45: U53.F16
  other v1: 247,95
GPIO<10>_46: U52.F16
  other v1: 223,95
GPIO<10>_47: U59.F16
  other v1: 223,71
GPIO<11>: U63.E18
  other v1: 321,72
GPIO<11>_1: U62.E18
  other v1: 297,72
GPIO<11>_2: U61.E18
  other v1: 273,72
GPIO<11>_3: U60.E18
  other v1: 249,72
GPIO<11>_4: U28.E18
  other v1: 369,192
GPIO<11>_5: U21.E18
  other v1: 345,216
GPIO<11>_6: U19.E18
  other v1: 297,216
GPIO<11>_7: U18.E18
  other v1: 273,216
GPIO<11>_8: U17.E18
  other v1: 249,216
GPIO<11>_9: U25.E18
  other v1: 297,192
GPIO<11>_10: U20.E18
  other v1: 321,216
GPIO<11>_11: U27.E18
  other v1: 345,192
GPIO<11>_12: U35.E18
  other v1: 369,168
GPIO<11>_13: U42.E18
  other v1: 369,144
GPIO<11>_14: U34.E18
  other v1: 345,168
GPIO<11>_15: U26.E18
  other v1: 321,192
GPIO<11>_16: U24.E18
  other v1: 273,192
GPIO<11>_17: U23.E18
  other v1: 249,192
GPIO<11>_18: U16.E18
  other v1: 225,216
GPIO<11>_19: U51.E18
  other v1: 369,120
GPIO<11>_20: U41.E18
  other v1: 345,144
GPIO<11>_21: U33.E18
  other v1: 321,168
GPIO<11>_22: U32.E18
  other v1: 297,168
GPIO<11>_23: U31.E18
  other v1: 273,168
GPIO<11>_24: U30.E18
  other v1: 249,168
GPIO<11>_25: U22.E18
  other v1: 225,192
GPIO<11>_26: U58.E18
  other v1: 369,96
GPIO<11>_27: U50.E18
  other v1: 345,120
GPIO<11>_28: U40.E18
  other v1: 321,144
GPIO<11>_29: U39.E18
  other v1: 297,144
GPIO<11>_30: U38.E18
  other v1: 273,144
GPIO<11>_31: U37.E18
  other v1: 249,144
GPIO<11>_32: U36.E18
  other v1: 225,144
GPIO<11>_33: U29.E18
  other v1: 225,168
GPIO<11>_34: U65.E18
  other v1: 369,72
GPIO<11>_35: U57.E18
  other v1: 345,96
GPIO<11>_36: U49.E18
  other v1: 321,120
GPIO<11>_37: U48.E18
  other v1: 297,120
GPIO<11>_38: U47.E18
  other v1: 273,120

## Text inside footprints (layer, text, board x,y; h text height)
U32: PIN_NUMBER "M17" at 295.166,160.5 h0.24; PIN_NUMBER "M18" at 296.166,160.5 h0.24; PIN_NUMBER "J17" at 295.166,163.5 h0.24; PIN_NUMBER "J18" at 296.166,163.5 h0.24; PIN_NUMBER "C16" at 294.166,169.5 h0.24; PIN_NUMBER "G17" at 295.166,165.5 h0.24; PIN_NUMBER "B18" at 296.166,170.5 h0.24; PIN_NUMBER "G16" at 294.166,165.5 h0.24; PIN_NUMBER "J16" at 294.166,163.5 h0.24; PIN_NUMBER "C17" at 295.166,169.5 h0.24; PIN_NUMBER "C18" at 296.166,169.5 h0.24; PIN_NUMBER "D16" at 294.166,168.5 h0.24; PIN_NUMBER "K15" at 293.166,162.5 h0.24; PIN_NUMBER "K16" at 294.166,162.5 h0.24; PIN_NUMBER "E18" at 296.166,167.5 h0.24; PIN_NUMBER "F16" at 294.166,166.5 h0.24; PIN_NUMBER "M16" at 294.166,160.5 h0.24; PIN_NUMBER "P14" at 292.166,158.5 h0.24; PIN_NUMBER "N13" at 291.166,159.5 h0.24; PIN_NUMBER "N14" at 292.166,159.5 h0.24; PIN_NUMBER "M12" at 290.166,160.5 h0.24; PIN_NUMBER "M13" at 291.166,160.5 h0.24; PIN_NUMBER "M14" at 292.166,160.5 h0.24; PIN_NUMBER "H12" at 290.166,164.5 h0.24; PIN_NUMBER "H13" at 291.166,164.5 h0.24; PIN_NUMBER "H14" at 292.166,164.5 h0.24; PIN_NUMBER "E6" at 283.854,167.5 h0.24; PIN_NUMBER "E7" at 284.854,167.5 h0.24; PIN_NUMBER "F7" at 284.854,166.5 h0.24; PIN_NUMBER "E8" at 285.854,167.5 h0.24; PIN_NUMBER "F8" at 285.854,166.5 h0.24; PIN_NUMBER "L5" at 282.854,161.5 h0.24; PIN_NUMBER "L6" at 283.854,161.5 h0.24; PIN_NUMBER "L7" at 284.854,161.5 h0.24; PIN_NUMBER "G7" at 284.854,165.5 h0.24; PIN_NUMBER "G5" at 282.854,165.5 h0.24; PIN_NUMBER "G6" at 283.854,165.5 h0.24; PIN_NUMBER "F5" at 282.854,166.5 h0.24; PIN_NUMBER "F6" at 283.854,166.5 h0.24; PIN_NUMBER "E5" at 282.854,167.5 h0.24; PIN_NUMBER "P11" at 289.166,158.5 h0.24; PIN_NUMBER "N11" at 289.166,159.5 h0.24; PIN_NUMBER "P12" at 290.166,158.5 h0.24; PIN_NUMBER "N12" at 290.166,159.5 h0.24; PIN_NUMBER "P13" at 291.166,158.5 h0.24; PIN_NUMBER "K12" at 290.166,162.5 h0.24; PIN_NUMBER "K13" at 291.166,162.5 h0.24; PIN_NUMBER "K14" at 292.166,162.5 h0.24; PIN_NUMBER "E10" at 287.936,167.5 h0.24; PIN_NUMBER "F10" at 287.936,166.5 h0.24; PIN_NUMBER "J5" at 282.854,163.5 h0.24; PIN_NUMBER "J6" at 283.854,163.5 h0.24; PIN_NUMBER "J7" at 284.854,163.5 h0.24; PIN_NUMBER "N9" at 286.854,159.5 h0.24; PIN_NUMBER "P9" at 286.854,158.5 h0.24; PIN_NUMBER "C13" at 291.166,169.5 h0.24; PIN_NUMBER "B13" at 291.166,170.5 h0.24; PIN_NUMBER "A13" at 291.166,171.5 h0.24; PIN_NUMBER "D14" at 292.166,168.5 h0.24; PIN_NUMBER "C14" at 292.166,169.5 h0.24; PIN_NUMBER "B14" at 292.166,170.5 h0.24; PIN_NUMBER "A14" at 292.166,171.5 h0.24; PIN_NUMBER "K17" at 295.166,162.5 h0.24; PIN_NUMBER "K18" at 296.166,162.5 h0.24; PIN_NUMBER "L15" at 293.166,161.5 h0.24; PIN_NUMBER "L16" at 294.166,161.5 h0.24; PIN_NUMBER "A8" at 285.854,171.5 h0.24; PIN_NUMBER "D9" at 286.854,168.5 h0.24; PIN_NUMBER "C11" at 289.166,169.5 h0.24; PIN_NUMBER "B11" at 289.166,170.5 h0.24; PIN_NUMBER "A11" at 289.166,171.5 h0.24; PIN_NUMBER "D10" at 287.936,168.5 h0.24; PIN_NUMBER "C10" at 287.936,169.5 h0.24; PIN_NUMBER "B10" at 287.936,170.5 h0.24; PIN_NUMBER "A10" at 287.936,171.5 h0.24; PIN_NUMBER "C9" at 286.854,169.5 h0.24; PIN_NUMBER "B9" at 286.854,170.5 h0.24; PIN_NUMBER "A9" at 286.854,171.5 h0.24; PIN_NUMBER "D8" at 285.854,168.5 h0.24; PIN_NUMBER "C8" at 285.854,169.5 h0.24; PIN_NUMBER "B8" at 285.854,170.5 h0.24; PIN_NUMBER "D11" at 289.166,168.5 h0.24; PIN_NUMBER "R17" at 295.166,157.5 h0.24; PIN_NUMBER "V18" at 296.166,154.5 h0.24; PIN_NUMBER "P18" at 296.166,158.5 h0.24; PIN_NUMBER "P17" at 295.166,158.5 h0.24; PIN_NUMBER "P16" at 294.166,158.5 h0.24; PIN_NUMBER "N18" at 296.166,159.5 h0.24; PIN_NUMBER "N17" at 295.166,159.5 h0.24; PIN_NUMBER "N16" at 294.166,159.5 h0.24; PIN_NUMBER "N15" at 293.166,159.5 h0.24; PIN_NUMBER "U18" at 296.166,155.5 h0.24; PIN_NUMBER "U17" at 295.166,155.5 h0.24; PIN_NUMBER "T18" at 296.166,156.5 h0.24; PIN_NUMBER "T17" at 295.166,156.5 h0.24; PIN_NUMBER "T16" at 294.166,156.5 h0.24; PIN_NUMBER "R18" at 296.166,157.5 h0.24; PIN_NUMBER "R16" at 294.166,157.5 h0.24; PIN_NUMBER "V12" at 290.166,154.5 h0.24; PIN_NUMBER "R13" at 291.166,157.5 h0.24; PIN_NUMBER "T15" at 293.166,156.5 h0.24; PIN_NUMBER "U15" at 293.166,155.5 h0.24; PIN_NUMBER "V15" at 293.166,154.5 h0.24; PIN_NUMBER "R14" at 292.166,157.5 h0.24; PIN_NUMBER "T14" at 292.166,156.5 h0.24; PIN_NUMBER "U14" at 292.166,155.5 h0.24; PIN_NUMBER "V14" at 292.166,154.5 h0.24; PIN_NUMBER "T13" at 291.166,156.5 h0.24; PIN_NUMBER "U13" at 291.166,155.5 h0.24; PIN_NUMBER "V13" at 291.166,154.5 h0.24; PIN_NUMBER "R12" at 290.166,157.5 h0.24; PIN_NUMBER "T12" at 290.166,156.5 h0.24; PIN_NUMBER "U12" at 290.166,155.5 h0.24; PIN_NUMBER "V16" at 294.166,154.5 h0.24; PIN_NUMBER "V8" at 285.854,154.5 h0.24; PIN_NUMBER "R9" at 286.854,157.5 h0.24; PIN_NUMBER "T11" at 289.166,156.5 h0.24; PIN_NUMBER "U11" at 289.166,155.5 h0.24; PIN_NUMBER "V11" at 289.166,154.5 h0.24; PIN_NUMBER "R10" at 287.936,157.5 h0.24; PIN_NUMBER "T10" at 287.936,156.5 h0.24; PIN_NUMBER "U10" at 287.936,155.5 h0.24; PIN_NUMBER "V10" at 287.936,154.5 h0.24; PIN_NUMBER "T9" at 286.854,156.5 h0.24; PIN_NUMBER "U9" at 286.854,155.5 h0.24; PIN_NUMBER "V9" at 286.854,154.5 h0.24; PIN_NUMBER "R8" at 285.854,157.5 h0.24; PIN_NUMBER "T8" at 285.854,156.5 h0.24; PIN_NUMBER "U8" at 285.854,155.5 h0.24; PIN_NUMBER "R11" at 289.166,157.5 h0.24; PIN_NUMBER "A3" at 280.854,171.5 h0.24; PIN_NUMBER "D5" at 282.854,168.5 h0.24; PIN_NUMBER "C7" at 284.854,169.5 h0.24; PIN_NUMBER "B7" at 284.854,170.5 h0.24; PIN_NUMBER "A7" at 284.854,171.5 h0.24; PIN_NUMBER "D6" at 283.854,168.5 h0.24; PIN_NUMBER "C6" at 283.854,169.5 h0.24; PIN_NUMBER "B6" at 283.854,170.5 h0.24; PIN_NUMBER "A6" at 283.854,171.5 h0.24; PIN_NUMBER "C5" at 282.854,169.5 h0.24; PIN_NUMBER "B5" at 282.854,170.5 h0.24; PIN_NUMBER "A5" at 282.854,171.5 h0.24; PIN_NUMBER "C4" at 281.854,169.5 h0.24; PIN_NUMBER "B4" at 281.854,170.5 h0.24; PIN_NUMBER "A4" at 281.854,171.5 h0.24; PIN_NUMBER "D7" at 284.854,168.5 h0.24; PIN_NUMBER "V6" at 283.854,154.5 h0.24; PIN_NUMBER "R7" at 284.854,157.5 h0.24; PIN_NUMBER "T5" at 282.854,156.5 h0.24; PIN_NUMBER "U5" at 282.854,155.5 h0.24; PIN_NUMBER "V5" at 282.854,154.5 h0.24; PIN_NUMBER "T4" at 281.854,156.5 h0.24; PIN_NUMBER "U4" at 281.854,155.5 h0.24; PIN_NUMBER "V4" at 281.854,154.5 h0.24; PIN_NUMBER "V3" at 280.854,154.5 h0.24; PIN_NUMBER "T7" at 284.854,156.5 h0.24; PIN_NUMBER "U7" at 284.854,155.5 h0.24; PIN_NUMBER "V7" at 284.854,154.5 h0.24; PIN_NUMBER "R6" at 283.854,157.5 h0.24; PIN_NUMBER "T6" at 283.854,156.5 h0.24; PIN_NUMBER "U6" at 283.854,155.5 h0.24; PIN_NUMBER "R5" at 282.854,157.5 h0.24; PIN_NUMBER "C15" at 293.166,169.5 h0.24; PIN_NUMBER "B15" at 293.166,170.5 h0.24; PIN_NUMBER "A15" at 293.166,171.5 h0.24; PIN_NUMBER "B16" at 294.166,170.5 h0.24; PIN_NUMBER "A16" at 294.166,171.5 h0.24; PIN_NUMBER "A17" at 295.166,171.5 h0.24; PIN_NUMBER "A18" at 296.166,171.5 h0.24; PIN_NUMBER "B17" at 295.166,170.5 h0.24; PIN_NUMBER "H16" at 294.166,164.5 h0.24; PIN_NUMBER "H15" at 293.166,164.5 h0.24; PIN_NUMBER "B12" at 290.166,170.5 h0.24; PIN_NUMBER "C12" at 290.166,169.5 h0.24; PIN_NUMBER "A12" at 290.166,171.5 h0.24; PIN_NUMBER "D13" at 291.166,168.5 h0.24; PIN_NUMBER "F17" at 295.166,166.5 h0.24; PIN_NUMBER "F18" at 296.166,166.5 h0.24; PIN_NUMBER "D17" at 295.166,168.5 h0.24; PIN_NUMBER "D18" at 296.166,168.5 h0.24; PIN_NUMBER "E16" at 294.166,167.5 h0.24; PIN_NUMBER "E17" at 295.166,167.5 h0.24; PIN_NUMBER "L12" at 290.166,161.5 h0.24; PIN_NUMBER "L13" at 291.166,161.5 h0.24; PIN_NUMBER "L14" at 292.166,161.5 h0.24; PIN_NUMBER "L17" at 295.166,161.5 h0.24; PIN_NUMBER "L18" at 296.166,161.5 h0.24; PIN_NUMBER "J12" at 290.166,163.5 h0.24; PIN_NUMBER "J13" at 291.166,163.5 h0.24; PIN_NUMBER "J14" at 292.166,163.5 h0.24; PIN_NUMBER "H17" at 295.166,164.5 h0.24; PIN_NUMBER "H18" at 296.166,164.5 h0.24; PIN_NUMBER "G12" at 290.166,165.5 h0.24; PIN_NUMBER "G13" at 291.166,165.5 h0.24; PIN_NUMBER "G14" at 292.166,165.5 h0.24; PIN_NUMBER "F13" at 291.166,166.5 h0.24; PIN_NUMBER "F14" at 292.166,166.5 h0.24; PIN_NUMBER "E14" at 292.166,167.5 h0.24; PIN_NUMBER "F11" at 289.166,166.5 h0.24; PIN_NUMBER "E11" at 289.166,167.5 h0.24; PIN_NUMBER "F12" at 290.166,166.5 h0.24; PIN_NUMBER "E12" at 290.166,167.5 h0.24; PIN_NUMBER "E13" at 291.166,167.5 h0.24; PIN_NUMBER "P5" at 282.854,158.5 h0.24; PIN_NUMBER "N6" at 283.854,159.5 h0.24; PIN_NUMBER "N5" at 282.854,159.5 h0.24; PIN_NUMBER "M5" at 282.854,160.5 h0.24; PIN_NUMBER "M6" at 283.854,160.5 h0.24; PIN_NUMBER "M7" at 284.854,160.5 h0.24; PIN_NUMBER "K5" at 282.854,162.5 h0.24; PIN_NUMBER "K6" at 283.854,162.5 h0.24; PIN_NUMBER "K7" at 284.854,162.5 h0.24; PIN_NUMBER "H5" at 282.854,164.5 h0.24; PIN_NUMBER "H6" at 283.854,164.5 h0.24; PIN_NUMBER "H7" at 284.854,164.5 h0.24; PIN_NUMBER "P6" at 283.854,158.5 h0.24; PIN_NUMBER "N7" at 284.854,159.5 h0.24; PIN_NUMBER "P7" at 284.854,158.5 h0.24; PIN_NUMBER "N8" at 285.854,159.5 h0.24; PIN_NUMBER "P8" at 285.854,158.5 h0.24; PIN_NUMBER "P10" at 287.936,158.5 h0.24; PIN_NUMBER "N10" at 287.936,159.5 h0.24; PIN_NUMBER "E9" at 286.854,167.5 h0.24; PIN_NUMBER "F9" at 286.854,166.5 h0.24; PIN_NUMBER "D12" at 290.166,168.5 h0.24; PIN_NUMBER "G15" at 293.166,165.5 h0.24; PIN_NUMBER "M15" at 293.166,160.5 h0.24; PIN_NUMBER "G18" at 296.166,165.5 h0.24; PIN_NUMBER "R15" at 293.166,157.5 h0.24; PIN_NUMBER "P15" at 293.166,158.5 h0.24; PIN_NUMBER "J15" at 293.166,163.5 h0.24; PIN_NUMBER "F15" at 293.166,166.5 h0.24; PIN_NUMBER "E15" at 293.166,167.5 h0.24; PIN_NUMBER "D15" at 293.166,168.5 h0.24; PIN_NUMBER "V17" at 295.166,154.5 h0.24; PIN_NUMBER "U16" at 294.166,155.5 h0.24; PIN_NUMBER "M3" at 280.854,160.5 h0.24; PIN_NUMBER "M1" at 278.624,160.5 h0.24; PIN_NUMBER "R4" at 281.854,157.5 h0.24; PIN_NUMBER "N2" at 279.854,159.5 h0.24; PIN_NUMBER "F3" at 280.854,166.5 h0.24; PIN_NUMBER "D1" at 278.624,168.5 h0.24; PIN_NUMBER "D4" at 281.854,168.5 h0.24; PIN_NUMBER "D3" at 280.854,168.5 h0.24; PIN_NUMBER "C3" at 280.854,169.5 h0.24; PIN_NUMBER "C2" at 279.854,169.5 h0.24; PIN_NUMBER "C1" at 278.624,169.5 h0.24; PIN_NUMBER "B3" at 280.854,170.5 h0.24; PIN_NUMBER "B2" at 279.854,170.5 h0.24; PIN_NUMBER "V2" at 279.854,154.5 h0.24; PIN_NUMBER "V1" at 278.624,154.5 h0.24; PIN_NUMBER "B1" at 278.624,170.5 h0.24; PIN_NUMBER "U3" at 280.854,155.5 h0.24; PIN_NUMBER "U2" at 279.854,155.5 h0.24; PIN_NUMBER "U1" at 278.624,155.5 h0.24; PIN_NUMBER "T3" at 280.854,156.5 h0.24; PIN_NUMBER "T2" at 279.854,156.5 h0.24; PIN_NUMBER "T1" at 278.624,156.5 h0.24; PIN_NUMBER "R2" at 279.854,157.5 h0.24; PIN_NUMBER "R1" at 278.624,157.5 h0.24; PIN_NUMBER "P4" at 281.854,158.5 h0.24; PIN_NUMBER "P3" at 280.854,158.5 h0.24; PIN_NUMBER "A2" at 279.854,171.5 h0.24; PIN_NUMBER "P2" at 279.854,158.5 h0.24; PIN_NUMBER "P1" at 278.624,158.5 h0.24; PIN_NUMBER "N4" at 281.854,159.5 h0.24; PIN_NUMBER "N3" at 280.854,159.5 h0.24; PIN_NUMBER "F2" at 279.854,166.5 h0.24; PIN_NUMBER "F1" at 278.624,166.5 h0.24; PIN_NUMBER "E4" at 281.854,167.5 h0.24; PIN_NUMBER "E3" at 280.854,167.5 h0.24; PIN_NUMBER "E2" at 279.854,167.5 h0.24; PIN_NUMBER "E1" at 278.624,167.5 h0.24; PIN_NUMBER "A1" at 278.624,171.5 h0.24; PIN_NUMBER "R3" at 280.854,157.5 h0.24; PIN_NUMBER "N1" at 278.624,159.5 h0.24; PIN_NUMBER "F4" at 281.854,166.5 h0.24; PIN_NUMBER "D2" at 279.854,168.5 h0.24; PIN_NUMBER "J4" at 281.854,163.5 h0.24; PIN_NUMBER "J3" at 280.854,163.5 h0.24; PIN_NUMBER "M4" at 281.854,160.5 h0.24; PIN_NUMBER "J1" at 278.624,163.5 h0.24; PIN_NUMBER "J2" at 279.854,163.5 h0.24; PIN_NUMBER "M2" at 279.854,160.5 h0.24; PIN_NUMBER "G1" at 278.624,165.5 h0.24; PIN_NUMBER "G2" at 279.854,165.5 h0.24; PIN_NUMBER "K4" at 281.854,162.5 h0.24; PIN_NUMBER "H2" at 279.854,164.5 h0.24; PIN_NUMBER "L1" at 278.624,161.5 h0.24; PIN_NUMBER "H1" at 278.624,164.5 h0.24; PIN_NUMBER "L2" at 279.854,161.5 h0.24; PIN_NUMBER "G4" at 281.854,165.5 h0.24; PIN_NUMBER "L3" at 280.854,161.5 h0.24; PIN_NUMBER "G3" at 280.854,165.5 h0.24; PIN_NUMBER "L4" at 281.854,161.5 h0.24; PIN_NUMBER "K1" at 278.624,162.5 h0.24; PIN_NUMBER "H4" at 281.854,164.5 h0.24; PIN_NUMBER "K3" at 280.854,162.5 h0.24; PIN_NUMBER "H3" at 280.854,164.5 h0.24; PIN_NUMBER "K2" at 279.854,162.5 h0.24